# KiCad board Rogelio Pineda part 2v2-AMLDC-2044B.kicad_pcb (continued)
## Routing (per net, layer and track width the routed paths; a pad name or vN(x,y) marks a point on that pad's centre or on a via; arc(x,y) is an arc through that point) (continued)
367.14,383.3 366.88,381.53 366.67,379.76 366.58,379.25 366.48,378.24 366.35,377.66 366.24,376.61 366.19,375.7 366.16,375.45 366.12,373.75 366.04,372.94 365.96,372.39 365.89,371.19 365.86,371.03 365.59,368.48 365.42,367.19 365.13,365.17 364.91,363.81 364.75,362.09 364.65,361.2 364.51,360.35 364.48,359.59 364.45,358.76 364.39,357.89 364.27,354.85 364.25,353.84 364.11,350.42 364.11,348.64 364.18,345.49 364.16,344.91 364.26,343.94 364.24,342.98 364.37,340.43 364.19,339.86 v1(364.19,339.73) 364.2,339 363.8,336.25 363.66,335.49 363.63,334.05 363.64,333.15 363.64,331.61 363.69,330.58 363.65,328.99 364.02,326.55 364.35,325.06 364.63,323.42 364.73,322.61 364.73,321.7 364.78,320.98 364.72,320.56 364.62,319.97 364.12,319.06 363.72,318.49 363.29,318.06 v1(363.29,318) 363.33,315.65 363.23,312.03 362.96,302.82 362.91,301.92 362.88,296.33 362.91,295.53 362.92,294.07 363.01,292.95 362.99,292.73 363.02,291.95 363.08,291.43 363.32,289.69 363.5,288.36 363.74,287.31 363.96,286.47 363.92,286.44 v1(363.92,285.97) ; 92.62,126.56 93.91,125.55 95.43,124.25 96.37,122.92 97.49,121.46 97.85,119.5 ; v1(100.52,176.21) 100.75,175.01 101.13,172.22 101.23,169.2 101.17,167.45 101.07,166.29 100.9,164.56 100.08,160.96 99.81,158.33 99.76,157.52 99.88,156.43 99.89,156.15 99.99,155.36 100.11,154.05 100.29,152.29 100.33,151.39 100.54,148.6 100.6,147.78 100.66,139.09 100.74,139.01 100.74,119.7 100.78,119.66 ; 102.46,169.04 102.15,164.33 101.71,162.47 100.9,159.43 100.87,156.48 101.05,155.27 ; v1(410.78,386.53) 411.56,385.45 411.46,368.52 411.47,366.6 411.34,360.64 411.4,359.63 411.35,355.62 411.32,351.99 411.3,348.72 411.27,347.37 411.15,340.51 411.14,339.98 411.19,339.18 411.06,333.54 410.92,331.89 410.67,331.18 410.31,327.61 410.23,324.89 410.05,318.5 410.07,316.35 410.18,315.2 410.23,314.46 410.46,312.88 410.6,312.09 410.94,309.58 411.14,307.49 411.34,305.19 411.26,302.94 411.18,302.15 411.14,301.36 410.9,300.15 410.57,298.18 ; v1(287.58,240.98) 287.5,239.88 286.74,231.52 286.47,227.26 286.22,216.45 286.26,207.89 285.79,136.39 285.79,130.01 285.7,123.1 285.66,110.45 ; v1(318.62,286.24) 318.43,269.31 v1(318.55,267.24) ; v1(410.28,286.08) 410.18,287.66 409.94,289.63 409.83,290.67 409.89,291.6 409.89,291.84 409.84,291.7 409.93,294.31 410.11,295.64 410.38,297.14 410.58,298.24 ; 256.44,109.96 256.38,140.45 256.44,143.36 256.3,145.19 256.26,148.72 v1(256.17,150.58) 256.61,156.07 256.67,214.61 256.59,220.4 v1(256.41,221.79) ; v1(182.24,272.83) 182.24,284.01 v1(182.17,284.07) ; 142.76,151.28 142.9,151.74 143.26,152.94 143.37,154.23 143.54,157.42 143.52,171.46 143.47,174.93 143.59,179.43 143.56,182.36 143.61,185 143.63,185.84 143.63,191.77 143.6,191.81 143.4,202.73 143.16,203.99 v1(143.14,205.3) ; v1(288.72,155.38) 289.16,154.94 289.16,154.48 289.27,139.78 288.64,111.04 ; 290.61,187.25 290.91,184.29 291.31,178.16 291.59,166.43 291.88,148.18 291.92,137.82 292.11,110.31 ; v1(401.86,302.72) 401.86,303.5 401.5,304.79 401.46,305.28 401.28,306.22 401.01,310.89 401.12,313.42 ; v1(338.37,362.6) 338.37,360.63 338.39,360.61 338.16,353.04 338.21,351.78 337.77,341.97 337.79,339.52 v1(337.49,334.22) 337.84,332.76 338.06,331.63 338.12,330.9 338.33,329.98 338.46,329.12 338.57,327.92 338.6,324.61 338.57,323.59 338.57,309.44 338.54,309.4 338.57,309.37 338.48,294.93 338.48,293.38 v1(338.22,292.56) 338.64,291.44 338.75,288.02 338.62,282.67 338.5,281.53 338.41,278.19 338.42,276.94 338.3,275.97 v1(338.15,274.88) ; v1(251.51,304.61) 251.85,305.82 252.4,308.38 252.57,311.95 252.71,313.64 252.98,318.77 253.54,324.15 253.46,327.68 252.52,332.13 252.18,338.04 252.18,341.71 252.3,346.03 253.39,350.88 253.03,354.2 251.25,359.37 251.16,369.92 251.21,369.97 251.02,371.45 250.95,377.92 250.9,377.97 250.9,385.71 250.98,387.88 251.4,392.5 251.93,393.83 v1(252.69,394.69) ; 365.72,328.66 365.68,330.66 365.6,332.71 365.79,334.59 365.84,335.05 365.91,335.45 365.99,335.98 366.03,336.28 366.21,337.41 366.3,338.29 366.33,338.83 366.4,339.44 366.37,340.38 366.37,341.31 366.31,343.03 366.3,343.94 366.28,344.58 366.19,346.04 366.21,346.75 366.17,347.78 366.28,349.47 366.33,350.16 ; 218.5,151.97 218.23,153.1 216.92,159.52 217.37,162.96 217.99,166.7 217.84,178.88 217.89,178.93 217.58,189.35 217.41,191.33 216.91,194.2 216.84,196.45 217,197.79 217.27,200.65 217.58,202.33 217.7,203.75 217.08,207.75 216.96,209.96 217.66,211.3 v1(218.79,213.07) ; v1(82.11,328.05) 82.37,330.35 82.52,331 82.93,333.37 83.41,334.71 84.25,337.29 85.41,339.71 86.96,343.77 87.87,344.97 ; v1(334.1,121.13) 333.9,121.83 333.65,123.35 333.5,125.02 333.31,126.01 333.19,128.74 333.22,128.78 333.11,136.3 333.62,137.81 333.96,138.96 334.41,139.82 334.69,140.9 334.81,141.64 334.81,144.76 334.66,145.63 334.63,146.27 334.48,147.02 334.36,148.23 334.2,148.9 v1(333.96,149.7) ; v1(337.09,207.44) 336.67,206.4 336.34,205.66 335.81,204.71 334.59,202.8 334.32,202.24 334.09,201.26 334.33,199.52 334.66,198.57 334.86,197.96 335.28,196.51 335.43,195.72 335.63,194.9 335.68,191.43 335.95,189.72 336.26,188.13 336.61,186.29 337.06,183.73 337.4,182.33 337.85,178 337.82,175.97 337.99,175.25 337.93,175.2 338.01,173.63 338.25,169.33 338.33,167.32 338.31,166.02 338.38,164.73 338.43,162.86 338.45,160.69 338.25,157.46 337.59,156.11 336.97,154.17 v1(336.76,153.95) ; 135.29,295.26 134.93,297.47 134.8,299.37 134.93,300.82 135.07,304.04 135.18,305.73 135.31,309.77 135.43,311.63 135.71,316.54 135.74,318.92 136.04,325.54 136.08,327.89 136.27,331.5 136.33,334.81 136.33,363.29 136.18,363.82 135.78,367.43 135.03,371.47 134.53,374.39 134.54,374.74 133.73,377.8 133,380.23 132.79,381.42 v1(132.64,382) ; 135.29,295.26 135.3,293.87 134.76,291.72 134.7,283.69 134.97,278.51 ; 135.29,295.26 135.29,293.72 ; 325.95,133.29 325.84,132.12 325.84,110.81 ; 325.95,133.29 325.91,132.18 ; 325.95,133.29 326.29,143.08 326.27,146.41 326.36,147.7 326.52,149.01 326.82,151.06 327,151.76 327.41,154.21 327.76,155.96 327.96,156.96 328.51,159.08 328.75,160.7 328.96,161.55 329.27,162.59 329.42,163.65 329.81,165.5 329.78,166.31 329.78,167.07 329.88,168.59 329.97,183.26 330.01,188.73 329.97,202.81 330.01,207.27 329.94,216.03 329.95,217.63 330.1,230.56 329.97,230.69 329.97,239.97 329.87,240.07 329.87,249.09 329.78,249.19 329.78,254.76 329.71,255.83 329.62,259.89 v1(329.38,260.13) ; 142.13,181.97 142.2,169.27 142.25,169.23 142.25,156.3 142.31,155.11 142.27,154.07 142.18,153.4 141.95,152.68 141.49,151.16 140.19,148.19 139.95,147.47 139.73,145.83 139.5,143.83 139.46,135.29 139.48,132.03 139.55,130.91 139.55,119.59 139.46,119.5 ; 142.13,181.97 142.08,185.23 v1(141.94,188.78) ; 142.13,181.97 142.11,181.94 ; v1(332.1,323.65) 332.63,347.82 332.59,376.29 332.19,376.69 v1(332.19,377.18) ; v1(287.7,366.61) 286.38,363.65 285.79,362.06 285.1,359.65 284.87,347.83 284.82,346.49 284.82,337.18 284.93,336.88 285.14,334.75 286.43,329.43 287.16,326.02 ; 183.42,119.54 183.79,133.43 183.79,141.47 v1(183.93,141.61) ; 212.97,341.66 213.02,341.36 213.02,344.81 212.42,352.5 212.32,355.82 212.32,357.76 212.51,361.12 212.6,362.51 212.67,363.62 212.9,364.69 213.02,368.09 213,369.53 213.04,373.35 212.9,375 212.79,377.57 212.72,380.74 212.81,384.17 212.88,384.24 212.93,387.46 213.02,388.44 213.32,391.73 v1(213.48,392.43) ; 92.79,126.43 91.67,127.25 89.89,128.67 88.53,129.49 87.34,130.24 v1(85.51,130.88) ; v1(171.03,205.4) 170.72,207.02 170.52,208.17 170.37,209.2 170.17,210.43 170.17,221.5 170.19,223.1 170.49,231.38 170.46,231.41 170.46,237.48 170.21,237.73 170.21,257.32 170.25,257.36 170.11,278.52 171.46,286.21 171.24,287.66 170.86,288.52 170.5,290.17 170.31,291.83 170.16,292.97 170.21,293.02 170.21,306.39 170.15,307.05 170.12,307.54 170.07,315.12 170.07,322.46 170.29,323.85 v1(170.93,325) ; 408.9,227.06 408.78,225.31 408.73,224.31 408.67,223.42 v1(408.75,222.51) ; 94.5,119.43 93.32,121.08 92.74,121.79 91.14,123.22 90.41,123.85 89.56,124.49 89.09,124.86 88.3,125.34 87.41,125.94 85.94,126.63 v1(85.16,126.97) ; v1(103.69,361.82) 103.77,360.76 104.34,356.38 104.49,355.43 104.97,353.59 105.36,352 105.72,349.75 105.63,346.81 104.92,343.74 103.82,342.21 103.21,341.28 102.66,340.47 101.42,338.79 101.3,338.59 100.6,337.43 100.27,334.68 99.9,332.45 99.61,329.99 99.37,329.15 98.54,326.18 97.58,323.95 97.1,321.48 97.44,318.99 98.32,317.52 98.65,315.56 98.16,312.05 97.57,310.69 97.4,309.4 97.28,308.59 97.28,306.52 97.85,304.62 99.28,302.42 99.89,301.75 100.91,300.28 101.87,297.86 102.46,294.7 102.5,293.5 102.56,289.64 103.19,286.35 102.94,283.17 102.73,282.27 ; 371.74,111.25 371.68,135.56 371.77,149.18 372,157.97 372.17,159.31 372.32,161.02 372.5,162.65 372.64,163.73 372.9,179.42 372.18,181.29 371.63,183.02 371.2,184.15 371.03,185.09 370.8,186.38 370.73,187.77 370.8,188.95 370.84,189.93 371.04,195.26 371.1,200.87 371.35,203.41 371.88,205.37 372.05,207.51 372.26,209.29 372.33,230.63 372.4,235.58 372.28,237.51 372.27,238.43 371.53,240 371.22,240.68 370.34,242.26 370.28,243.92 370.32,244.39 370.45,245.85 370.54,246.61 370.78,247.91 370.84,248.47 370.88,249.19 370.79,253.7 370.88,258.5 371.32,259.68 371.73,260.87 372.4,262.96 372.46,265 371.95,266.67 371.56,267.55 371.13,268.22 370.8,269.1 370.57,269.8 370.73,270.5 370.89,271.12 371.18,271.81 371.31,272.27 371.6,272.97 371.74,274.79 371.54,289.53 371.32,290.76 371.3,291.21 371.09,291.73 370.97,292.15 370.83,292.66 370.55,293.73 370.15,294.61 370.08,295.07 369.79,295.84 369.59,297.15 369.66,298.63 369.66,299.38 369.6,299.45 369.81,300.27 369.98,300.78 370.14,301.7 370.49,303.24 370.48,303.93 370.54,304.94 370.46,305.4 370.35,306.06 370.05,307.08 369.88,308.06 369.58,308.98 369.39,311.14 369.47,313.32 369.64,315.63 369.77,316.38 370,317.37 370.79,319.08 371,319.85 371.18,320.46 371.33,322.1 371.28,323 371.23,323.78 370.98,325.58 370.73,327.75 370.74,328.51 370.78,329.26 370.78,329.73 370.78,330.02 370.83,330.67 370.78,332.03 370.91,333.48 371.01,335.96 371.01,336.63 371.11,337.64 371.28,338.82 ; v1(175.45,360.65) 174.88,360.09 174.7,350.84 173.89,349.05 173.13,347.04 172.87,345.5 172.72,344.33 172.72,342.59 172.58,341.1 172.77,336.36 173.22,333.29 173.71,326.49 ; 324.05,154.69 324.02,154.71 ; 324.02,154.71 323.88,153.27 323.58,151.76 323.18,150.37 322.79,148.94 322.68,148.33 322.26,145.59 v1(322.47,145.25) ; 281.45,239.23 281.45,241.22 281.48,241.24 v1(281.48,243.32) 281.43,244.44 v1(281.65,261.23) 282.53,264.73 ; 176.79,119.14 176.95,119.29 176.95,147.49 176.98,149.92 177.22,152.92 177.47,156.01 177.65,157.39 177.66,158.92 177.21,161.99 176.92,164.77 176.93,169.66 176.96,170.97 177.06,177.77 177.09,180.01 177.3,187 177.32,189.49 177.53,192.2 177.44,192.97 v1(177.71,195.14) ; v1(217.55,286.77) 217.11,287.2 217.11,315.5 217.52,315.91 217.39,316.03 v1(217.39,318.53) ; 331.38,380.33 331.16,380.55 v1(331.16,395.48) ; v1(82.15,315.06) 83.46,316.37 84.25,317.68 85.29,319.82 86.19,321.56 86.91,322.54 87.89,323.93 88.79,324.8 88.82,324.8 89.66,325.9 v1(91.4,327.34) ; 335.96,148.98 335.8,149.79 335.43,150.52 335.09,151.54 334.68,152.39 334.68,152.99 334.86,154.23 335.08,155.04 v1(335.43,156.54) ; 137.58,119.83 137.32,124.18 137.09,129.63 137.01,131.11 136.84,132.79 136.76,133.93 136.52,139.16 136.44,141.03 136.21,146.57 136.12,147.73 136,148.53 135.77,149.43 135.41,151.24 134.46,154.23 134.03,157.44 134.04,159.78 134.04,161.72 134.21,162.83 134.74,166.49 135.18,168.54 135.61,170.52 136.03,171.51 136.29,173.49 136.55,175.11 136.96,179.83 137.04,181.11 137.27,187.39 137.42,188.77 137.53,191.54 137.64,192.08 137.78,195.12 138.04,196.88 138.48,199.85 138.59,201.18 138.99,204.66 139.08,205.82 139.62,209.11 140.19,211.85 140.72,213.85 140.83,214.65 141.08,217.87 141.32,221.66 141.14,224.59 141.08,226.12 140.96,237.98 140.6,238.34 v1(140.6,239.79) ; v1(255.14,231.84) 254.87,231.57 254.87,222.31 254.77,220.06 254.87,215.6 255.21,213.38 255.47,206.03 255.51,204.19 255.53,176.33 255.48,174.86 255.48,163.17 255.61,159.58 255.61,157.88 255.57,156.15 255.14,153.86 254.73,152.22 254.48,150.56 254.6,148.58 254.79,147.77 255.12,146.08 255.14,119.71 255.02,110.06 ; v1(287.53,152.93) 287.26,153.2 287.44,165.17 ; v1(320.94,283.65) 320.67,282.01 320.68,275.04 320.65,273.99 320.57,270.98 320.51,268.82 320.24,263.49 320.14,261.75 320.08,261.07 319.91,258.54 319.55,251.7 319.4,249.22 319.4,244.45 319.82,237.24 319.82,235.45 320.04,234.29 320.18,233.02 320.68,229.31 320.94,226.07 321.2,223.62 321.31,221.97 321.43,219.36 321.48,218.04 321.61,216.04 321.87,202.82 322.17,186.2 322.01,179.93 321.98,177.02 321.67,173.43 321.47,172.16 321.06,170.68 320.94,169.8 320.81,168.99 320.76,168.1 320.57,167.31 320.24,163.82 320.09,159.77 v1(319.94,155.48) ; v1(290.38,264.65) 289.92,265.1 289.82,269.17 289.78,269.93 289.85,271.37 289.86,274.64 289.97,276.13 290.06,276.92 290.2,278.11 290.76,280.98 291.05,282.97 291.49,287.89 291.61,289.27 291.86,292.29 291.87,296.04 291.99,296.91 291.79,298.01 291.04,300.75 290.48,302.75 290.48,303.2 289.88,304.49 289.68,309.28 289.77,312.07 289.75,313.81 289.83,333.24 289.91,335.43 v1(290.26,336.28) ; v1(366.71,352.92) 366.36,351.52 366.33,350.03 ; 87.8,344.87 89.17,346.26 89.62,346.38 90.29,346.44 91.65,346.11 92.85,345.05 ; 221.25,119.74 220.53,131.69 220.48,136.58 220.28,138.74 220.2,140.25 219.7,145.78 218.89,149.39 218.48,152.11 ; 134.96,278.74 134.97,277.52 135.32,272.76 135.45,271.46 135.74,267.88 135.85,266.27 136.24,260.63 136.83,254.84 137.32,246.26 v1(137.46,244.27) ; 99.61,317.48 98.08,320.22 98.5,322.24 99.13,323.83 99.87,325.2 100.35,325.97 v1(100.66,326.82) ; 215.53,184.98 214.92,179.18 214.77,176.41 214.49,170.58 214.44,168.64 214.37,166.81 214.57,161.85 215.23,155.41 215.39,152.14 215.58,150.22 216.17,138.23 216.4,136.05 216.99,122.74 217.36,119.85 ; v1(368.47,301.44) 368.69,301.79 369.48,303.76 369.6,304.69 369.52,305.53 369.48,305.82 369.21,307.21 368.8,308.4 368.66,309.87 368.61,310.62 368.61,310.95 368.61,315.74 368.82,316.38 368.95,316.81 369.17,317.57 369.67,318.98 370.46,321.62 370.39,322.59 370.34,323.36 370.11,324.96 369.95,325.76 369.87,326.84 369.82,327.98 370.03,335.55 370.15,337.99 370.39,339.98 370.49,340.54 370.73,341.51 371.04,342.9 371.46,345.25 371.67,346.26 371.95,347.75 372.15,348.87 372.35,352.58 372.35,353.95 372.24,354.86 372.18,356.14 372.05,356.82 371.35,358.32 v1(370.81,358.81) ; 329.28,110.35 329.04,116.12 328.84,121.12 328.82,123.06 328.78,127.8 328.81,129.06 329.02,134.96 329.12,136.21 329.31,142.67 329.34,142.7 329.34,146.54 v1(329.51,146.71) ; v1(139.4,302.11) 139.59,301.91 139.59,296.88 139.22,294.03 138.66,290.81 138.71,287.67 139.07,284.66 139.03,283.72 139.03,281.98 138.77,280.6 138.66,276.89 139.16,275.13 139.75,272.91 139.91,271.62 140.03,271.12 140.05,269.56 140.06,267.89 140.1,267.16 139.89,265.43 139.82,263.71 139.99,261.62 140.23,260.53 140.4,259.8 v1(142,257.45) ; 180.92,154.96 180.82,154 180.39,147.93 180.39,146.48 180.3,141.25 180.33,140.61 180.22,135.96 180.28,134.51 180.2,129.65 180.2,119.53 ; 140.61,119.52 140.64,120.44 140.47,124.89 140.64,135.14 140.58,136.57 140.69,146.14 141.35,147.87 141.89,149.45 142.23,150.11 142.85,151.56 ; v1(410.8,186.91) 410.96,191.23 411.19,228.23 411.26,228.29 411.26,236.22 411.36,240.07 v1(411.5,249.93) 411.56,251.13 411.71,258.74 411.68,258.77 411.68,270.08 411.85,279.39 411.71,294.03 411.45,294.3 v1(411.45,294.91) ; 252.89,109.93 253.05,120.99 252.93,138.34 252.97,147.66 253.41,153.47 253.71,154.71 v1(253.81,155.63) ; v1(372.52,315.53) 372.16,314.33 371.98,313.75 371.86,313.28 371.49,312.06 371.29,310.3 371.69,308.26 372.16,307 372.54,305.41 372.55,303.8 372.23,302.33 371.74,301.06 371.62,300.35 371.49,299.73 371.35,298.38 371.56,296.57 371.72,295.91 372.35,294.37 372.83,293.06 373.27,292.11 373.64,290.38 373.79,289.38 373.76,265.16 373.63,264.22 373.58,263.57 373.44,262.59 373.09,261.66 372.43,260.23 372.13,259.23 371.74,257.22 371.69,247.92 371.64,247.58 371.53,247.01 371.26,244.71 371.15,243.77 371.18,242.71 371.39,242.21 371.7,241.42 372.08,240.97 372.32,240.61 372.52,240.11 373.19,238.74 373.33,208.11 373,205.42 372.54,203.96 372.12,202.41 372.03,197.52 372.09,196.07 372.29,195.68 372.35,195.22 372.44,194.55 372.79,192.58 372.59,188.69 372.56,188.29 372.51,185.67 v1(372.38,185.54) ; 103.57,182.45 103.84,185.14 104.23,187.68 104.93,192.07 104.9,193.08 104.83,195.6 104.77,196.56 104.44,199.96 104.32,201.06 103.96,205.21 103.86,206.29 103.76,210.97 104.01,212.13 104.01,212.33 104.36,213.77 104.33,214.36 104.73,215.1 104.94,217.62 105.04,219.21 105.48,221.84 105.52,222.2 105.99,225.46 106.12,226.31 106.61,229 106.81,230.5 107.25,233.33 107.25,233.54 107.45,236.06 107.65,237.76 107.75,239.62 107.74,240.79 107.83,251.8 107.85,252.27 107.54,255.12 107.21,256.1 106.86,257.29 105.2,259.94 103.96,262.2 103.47,264.33 103.59,267.72 103.54,268.53 103.54,278.04 103.49,278.97 103.7,282.56 104.27,284.12 104.27,286.38 104.18,288 103.86,289.06 103.57,290.48 103.56,290.8 103.44,293.54 103.47,293.58 103.32,295.49 103.32,296.12 102.81,298.86 102.55,299.54 101.08,301.89 99.81,303.43 99.31,304 98.25,306.02 98.14,307.18 98.54,308.53 99.05,309.5 99.39,310.29 100.36,312.75 100.84,314.17 100.58,315.51 100.13,316.76 99.48,317.71 ; 139.95,195.02 139.66,192.66 139.33,190.34 139.37,190.3 139.26,185.97 139.17,182.6 138.85,176.42 138.72,175.54 138.49,172.11 ; v1(362.84,177.98) 362.65,178.8 362.43,180.29 362.42,184.01 362.46,186.34 362.53,188.35 362.62,190.94 362.63,192.25 362.7,195.29 363.15,202.62 363.25,204.91 v1(363.25,207.09) ; v1(289.75,211.38) 289.75,211.87 289.78,212.59 289.61,213.53 289.34,216.97 289.35,218.42 289.38,219.2 289.3,225.46 289.7,227.9 289.99,229.08 290.25,230.2 290.59,231.58 291.16,233.17 291.7,235.27 292.49,237.59 292.89,238.87 v1(292.98,240.05) ; v1(208.73,215.46) 208.54,215.66 208.9,216.35 208.43,290.1 208.42,337.11 208.51,339.94 208.57,341.42 208.63,342.24 209.35,344.01 210.07,345.74 210.54,347.67 210.67,349.27 211.2,353.34 211.26,355.71 211.43,358.46 211.45,360.21 211.82,366.95 211.86,367.76 211.93,367.87 211.93,373.99 211.8,374.83 211.62,382.97 211.68,386.12 211.54,395.64 v1(211.89,395.98) ; v1(96.24,275.09) 96.03,275.09 95.03,274.77 94.4,274.54 93.49,274.31 93.18,274.14 91.86,273.55 91.25,273 90.58,272.33 89.69,271.29 v1(89.69,271.22) ; 177.53,320.49 177.76,322.74 177.8,325.82 177.78,325.78 177.76,328.54 ; v1(82.92,128.85) 83.07,129 86.22,128.85 ; 213.02,341.43 212.72,339.44 212.32,337.68 211.79,333.32 v1(211.77,331.3) 211.81,331.25 211.81,316.73 211.7,295.58 211.65,294.65 211.61,290.41 211.42,288.68 211.58,259.49 211.56,258.26 211.67,250.52 v1(212.05,237.81) ; v1(363.07,373.88) 363.12,374.38 363,375.98 362.83,376.76 362.72,380.12 362.72,380.91 362.72,384.09 362.69,384.31 362.76,384.98 362.89,385.67 v1(363.11,386.62) ; 215.89,256.2 215.48,248.5 215.45,247.71 215.23,240.87 215.19,239.63 214.96,236.12 214.89,234.86 214.55,230.43 214.42,229 214.12,225.52 v1(213.84,224.16) ; v1(105.87,211.93) 106.32,210.32 106.62,207.66 ; v1(364.06,183.29) 364.15,182.9 364.18,180.6 364.24,179.23 364.23,170.82 364.27,169.88 364.23,160.93 364.22,158.86 364.25,157.92 364.34,149.48 364.32,149.47 364.32,143.58 364.28,140.07 364.35,137.3 364.36,134.93 364.46,131.51 364.43,130.71 364.54,127.35 364.59,126.52 364.61,125.75 364.64,124.57 v1(364.78,115.75) ; 371.24,338.25 371.41,339.95 371.63,341.25 372.07,343.12 372.05,343.14 372.2,343.72 372.34,344.72 372.61,345.69 372.97,347.21 373.22,348.86 373.29,354.21 373.25,354.64 373.18,356.65 372.99,358.1 372.62,359.18 372.23,359.99 371.79,361.24 371.29,362.68 371.25,363.13 370.87,365.29 v1(370.76,366.23) ; 130.97,183.19 130.99,180.41 130.95,176.46 130.95,172.09 130.91,172.06 130.73,165.39 130.63,160.57 130.59,149.18 130.77,142.71 131.03,140.13 131.07,138.36 131.41,133.32 131.84,130.8 131.9,129.11 132.75,123.96 132.96,122.48 133.21,121.28 133.21,119.44 ; 103.45,176.49 103.52,168.93 103.55,167.88 103.3,164.39 102.96,163.06 ; v1(365.59,392.96) 366.32,393.22 367.33,393.19 370.68,393.05 v1(371.84,393.05) ; v1(223.82,265.22) 223.94,267.71 224.13,280.94 223.61,282.11 223.02,283.47 222.4,284.71 222.34,285.94 222.31,285.97 222.31,292.57 222.4,292.67 222.4,299.76 222.28,301.98 222.12,323.21 222.12,324.75 222.28,328.73 222.25,329.92 222.38,330.96 222.4,332.06 v1(222.5,334.01) 222.53,334.04 222.81,337.28 223.02,338.36 222.7,340.96 222.21,343.19 221.14,345.44 220.46,346.54 219.93,347.6 219.84,357.52 219.75,359.02 220.17,366.48 220.28,368.29 220.32,369.64 220.61,370.93 220.33,374.83 v1(220.3,376.23) ; 102.46,168.78 102.33,172.69 102.11,177.47 101.58,178.88 101.24,180.79 101.38,181.9 v1(101.64,182.96) 101.78,183.1 102.07,184.41 102.41,185.39 102.96,187.79 103.18,188.16 103.65,191.11 103.7,191.47 103.66,193.64 103.65,194.16 103.45,196.86 103.42,197.88 103.33,199.39 103.26,199.57 102.94,201.98 102.87,202.98 102.7,205.42 102.69,205.99 102.49,208.26 102.42,209.36 102.44,210.77 102.5,211.83 103.06,213.95 103.53,215.25 103.92,219.22 104,219.73 104.69,223.15 104.86,224.08 105.11,225.82 105.83,229.91 106.22,232.99 106.37,234.22 106.55,237.73 106.62,238.93 106.79,251.92 106.83,252.43 106.57,255.42 104.85,258.85 103.98,260.08 102.8,262.73 102.61,264.01 102.53,264.86 102.51,280.08 102.49,280.18 102.6,281.67 102.76,282.42 ; v1(82.18,318.24) 82.77,319.52 84.05,321.23 84.62,322.17 85.71,323.63 87.31,326.19 87.94,327.79 88.35,329.87 88.67,330.89 89.5,333.41 89.65,333.78 90.17,334.36 91.03,335.44 v1(92.5,336.38) ; 406.84,193.29 406.82,191.97 406.63,185.68 406.69,182.98 406.58,178.91 406.6,176.41 406.44,174.03 406.47,170.96 406.35,162.76 406.35,159.44 406.28,149.66 406.27,146.6 406.2,143.34 406.31,140.82 406.17,138.71 406.12,136.19 406.06,125.98 406.11,122.39 406.01,113.97 406.02,111.73 ; 403.45,111.48 403.46,113.68 403.88,172.23 403.87,175.68 403.97,184.47 403.94,185.59 404.02,196.75 404.09,205.95 404.09,214.88 404.09,217.46 404.12,221.12 404.12,223.58 404.05,227.1 404.12,228.48 404.42,232.66 404.66,235.14 404.64,242.68 404.59,244.08 404.47,245.54 404.2,246.16 v1(403.98,246.58) ; v1(91.74,339.32) 90.69,338.15 90.08,337.19 89,335.69 88.51,333.84 87.31,331.41 86.48,329.47 85.62,327.63 84.55,325.48 82.19,321.93 v1(82.19,321.91) ; v1(221.18,154.41) 221.18,154.99 221.62,155.43 221.5,166.55 221.45,167.93 221.43,169.29 221.4,176.19 221.31,177.52 221.23,178.08 221.21,190.71 220.97,191.51 221.11,194.78 221.01,196.58 220.82,203.96 ; v1(219.55,195.27) 219.74,190.23 219.83,188.77 220.18,170.62 220.4,168.99 220.55,161.41 220.35,158.22 219.9,156.91 219.51,155.47 219.61,152.94 v1(219.99,152.42) ; 290.64,110.76 290.65,119.7 290.65,138.29 290.7,141.34 290.47,159.73 290.53,163.13 290.06,169.21 289.72,172.19 289.51,176.06 289.2,184.64 289.24,189.87 289.37,190.81 289.64,193.37 v1(290.07,193.8) ; v1(393.57,335.4) 392.71,336.26 391.71,336.62 390.74,337.17 390.34,337.32 389.48,337.72 388.91,337.97 387.72,338.62 387.07,338.77 v1(386.59,338.79) ; 135.3,231.77 135.18,230.54 135.14,228.63 ; v1(222.46,350.33) 222.46,351.38 222.26,352.23 222.19,364.74 222.34,365.46 222.69,367.55 222.97,368.24 v1(223.34,369.41) ; 138.53,119.56 138.55,120.49 138.61,121.16 138.61,122.27 138.49,124.73 138.33,128.55 138.37,128.58 138.2,130.23 138.03,133.84 138.12,137.14 138.2,141.81 138.27,141.88 138.25,141.9 138.25,147.99 v1(138.33,148.07) 138.22,149.94 138.08,151.27 137.87,153.4 137.72,154.43 137.68,156.18 137.66,156.2 137.66,162.98 137.8,165.09 137.94,167.15 138.49,172.71 138.49,172.51 ; v1(218.79,207.96) 218.7,206.59 218.76,205.96 218.64,202.32 217.83,195.88 218.56,190.52 218.73,183.83 218.84,182.51 218.98,168.34 219.02,167.4 218.93,163.97 218.9,163.67 218.81,163.44 v1(218.71,162.15) ; 172.52,286.3 172.58,287.77 172.41,290.23 v1(172.14,293.02) ; 180.32,273.43 180.32,272.84 180.36,265.59 180.26,260.93 180.08,246.62 180.11,244.93 179.94,235.83 180.06,233.94 179.98,225.85 179.77,222.15 179.35,219.44 179.18,216.82 ; v1(365.36,219.15) 365.82,220.59 366.04,222.4 366.22,223.79 366.51,225.19 366.54,226.07 366.72,226.71 366.85,228.06 367.03,229.09 367.29,231.91 367.38,235.16 367.4,235.94 367.26,241.94 367.22,242.18 367.2,242.85 367.04,245.94 366.96,246.94 366.81,254.3 366.81,254.74 366.79,256.26 v1(366.67,257.39) ; 283.91,270.23 284.07,272.29 284.12,274.72 284.12,280.14 284.22,281.69 284.39,286.5 284.46,288.07 284.51,289.45 284.67,289.61 v1(284.67,290.2) ; v1(143.07,328.38) 142.94,328.51 v1(142.94,333.73) ; v1(179.81,201.48) 179.81,201.35 179.28,200.82 179.08,200.2 179.03,199.26 179.13,197.83 179.39,195.66 179.23,194.24 179.18,193.33 178.87,191.9 178.77,189.57 178.51,188.07 178.43,185.03 178.32,183.33 178.12,176.15 178.05,175.13 178.02,168.63 178.33,163.35 178.59,160.78 178.79,158.68 178.67,156.68 178.72,156.63 178.46,154.2 178.12,144.6 178.05,142.01 178.05,138.49 178.04,138.47 177.86,129.81 177.89,119.36 ; 103.06,119.34 103.1,127.2 102.79,147.98 102.75,148.47 102.75,151.17 102.04,155.94 101.8,157.48 ; v1(141.8,244.74) 141.04,249.43 140.57,252.47 139.71,256.85 139.21,259.38 139.03,261.03 138.93,263.75 138.95,264.93 ; v1(175.97,392.28) 175.97,395.98 v1(176,396.02) ; v1(215.6,358.11) 215.88,357.83 215.88,357.1 215.89,354.57 215.74,340.1 215.79,339.38 215.78,336.57 215.81,329.75 215.7,320.49 215.7,308.84 215.71,308.72 215.81,294.65 215.9,293.28 215.75,289.41 215.78,288.04 215.92,284.79 v1(216.39,283.06) ; 220.53,339.19 219.16,342.27 218.92,343.86 218.47,347.88 218.35,349.91 218.35,350.78 218.4,356.6 218.52,357.82 218.55,359.83 218.76,361.16 218.85,363.98 219.12,365.21 219.44,370.12 218.29,375.78 218.37,377.04 219.41,379.13 v1(219.91,380.22) ; 130.98,182.43 130.99,184.24 131.45,187.36 132.06,189.42 133.51,192.1 134.07,193.31 134.82,195.53 135.1,197.12 135.18,226.68 135.1,227.66 135.14,227.63 135.18,228.79 ; 250.14,110.3 250.37,114.4 250.58,116.23 250.63,118.49 250.29,121.8 250.14,123.27 250,124.82 250.08,125.74 250.01,128.27 249.89,137.49 249.93,138.55 249.6,153.23 249.84,155.13 250.19,156.51 250.69,158.16 251.37,160.62 251.72,162.28 251.87,166.71 251.82,166.75 251.79,170.92 251.75,177 v1(251.56,177.55) ; 99.65,119.4 99.85,122.65 99.87,136.16 99.59,144.27 99.56,146.29 99.5,150.9 99.42,151.8 99.14,154.09 98.99,154.57 98.78,157.58 98.83,158.14 99.16,161.08 99.6,163.34 99.73,165.14 99.87,165.88 100.21,168.76 99.68,172.63 99.42,173.85 98.73,176.72 99.04,177.41 99.04,177.61 v1(99.78,178.35) ; v1(330.91,302.06) 330.97,302.12 v1(330.97,305.38) ; 182.09,119.52 182.07,120.94 182.37,148.35 182.49,149.27 182.51,149.95 182.76,150.9 183,151.9 183.98,153.58 184.22,154.59 184.26,154.63 184.26,156.19 184.04,156.75 v1(183.74,157.46) ; 133.88,292.33 133.81,290.89 133.57,288.52 133.88,281.77 134.16,277.46 134.36,273.79 134.81,268.21 135.16,263.58 135.26,261.22 135.63,257.23 135.85,252.58 135.71,247.56 135.6,245.68 135.71,243.72 136.16,242.56 v1(136.92,241.6) ; v1(293.23,209.88) 293.26,209.92 v1(293.26,229.07) ; v1(175.14,158.73) 174.78,179.39 174.99,186.37 174.87,193.21 174.99,198.07 175.2,207.83 175.39,229.45 175.49,237.49 175.36,261.23 v1(175.82,261.69) ; v1(142.14,241.53) 142.47,241.07 142.54,238.94 142.24,233.69 142.21,229.14 142.27,228.51 142.49,221.46 142.33,219.08 142.28,217.9 142.06,216.85 141.91,214.62 140.69,209.49 140.18,206.38 139.92,205.38 139.64,203.19 139.52,200.54 139.15,197.2 138.72,192.54 138.27,191.5 138.13,183.7 138.12,181.7 138.01,180.21 137.74,178.29 137.65,176.74 137.27,173.72 136.72,170.04 136.42,168.76 136.26,167.21 136.1,165.82 136.12,165.52 v1(136.12,165.11) ; 176.05,199.26 175.99,197.87 175.93,197.26 175.85,196.13 175.93,193.85 176.03,192.19 176.05,191.76 175.89,180.76 175.97,178.13 175.87,172.03 175.86,170.47 175.86,166.03 175.87,165.5 176.02,163.36 176.09,163.17 176.33,160.71 176.54,159.9 176.46,156.01 176.31,154.5 176.06,146.72 ; 104.16,119.4 104.19,128.74 104.04,138.07 103.87,142.32 103.85,142.63 103.85,143.47 103.87,144.57 103.62,151.62 103.39,153.51 103.18,154.89 102.92,156.09 102.74,158.18 102.92,159.23 103.42,160.99 104.1,163.13 104.61,165 104.64,165.75 104.66,168.17 104.63,169.7 104.73,176.03 104.69,176.85 104.65,178.36 104.72,179.13 104.9,181.78 104.92,182.12 105.01,183.9 105.1,184.86 105.23,186.03 105.33,186.75 105.53,189.78 105.78,190.92 106.29,194.66 106.49,195.52 106.71,197.43 106.77,198.54 106.97,200.24 106.95,201.26 106.8,202.99 106.74,204.02 106.61,207.96 ; v1(366.8,273.86) 367.12,274.41 367.34,275.4 367.7,276.39 367.8,277.69 367.84,278.25 367.93,279.48 367.7,283.44 367.67,285.43 367.3,289.59 367.05,290.72 366.75,291.63 366.4,292.72 366.11,293.54 365.75,294.63 v1(365.41,295.23) ; 286.74,280.8 287.59,283.06 287.97,284.64 288.38,311.94 288.53,315.6 288.37,321.04 288.16,321.89 287.92,322.49 287.96,322.49 287.5,324.47 287.17,325.91 ; v1(291.63,371.69) 291.84,370.31 291.56,363.98 291.46,357.23 289.62,350.66 v1(287.81,346.37) ; 251.4,110.43 251.64,119.89 251.23,149.24 251.27,151.41 v1(251.41,153.08) 252.51,159.4 252.67,162.85 252.65,166.53 253.08,169.41 253.16,177.55 252.84,179.81 252.37,182.16 252.39,183.92 252.55,196.15 v1(252.74,196.33) ; v1(174.88,155.67) 174.88,119.18 174.86,119.16 ; v1(250.28,307.21) 250.45,307.69 250.73,309.58 250.74,309.94 251.02,312.56 251.12,313.58 251.4,316.79 251.51,317.95 251.6,320.57 251.65,320.62 251.65,324.8 251.66,325.84 251.46,328.41 251.41,329.14 v1(251.26,329.87) ; v1(332.57,271.16) 332.79,269.26 332.95,268.43 333.36,264.08 333.26,260.08 333.06,251.79 333.06,250.15 332.95,236.79 332.95,226.25 332.95,205.8 ; v1(294.04,266.89) 293.76,267.17 v1(293.76,271.23) 294.21,272.57 294.41,274.76 294.37,275.48 294.3,277.55 294.21,279.4 294.22,281.69 294.12,291 294.15,306.43 294.25,310.91 294.22,312.45 294.15,313.51 294.17,316.59 294.01,324.65 293.97,331.3 293.94,331.33 293.94,333.35 v1(293.86,333.43) ; 95.55,119.4 94.54,121.35 93.6,122.75 91.7,125.07 90.26,126.45 88.7,127.63 88.08,128.07 87.59,128.4 86.1,128.86 ; 284.44,119.37 284.48,119.34 ; v1(335.94,353.58) 335.98,353.62 v1(335.98,390.65) ; v1(182.41,270.23) 182.04,268.7 181.73,267.59 181.65,266.88 181.51,265.01 181.51,262.1 181.47,262.06 181.21,213.44 180.94,212.1 180.3,210.28 179.45,208.23 178.6,206.24 177.57,203.63 175.98,199.02 ; 212.27,194.04 212.3,196.79 212.58,198.39 212.54,198.44 212.54,205.79 212.35,207.46 212.03,219.62 212.09,222.62 212.17,226.42 212.5,228.27 213.1,231.42 213.63,236.01 213.89,240.04 213.08,251.72 213.1,273 212.96,273.92 213.14,274.68 v1(213.24,277.95) ; v1(96,281.03) 96.23,281.03 96.59,281.85 97.4,283.5 97.59,284.63 97.59,286.17 97.47,287.9 97.02,289.87 96.81,290.99 94.75,293.65 94.66,293.75 94.66,296.54 94.61,296.58 94.61,298.21 94.66,298.26 94.66,300.3 94.41,301.64 94.19,303.5 93.81,305.07 93.68,305.75 93.73,305.79 93.73,307.75 93.77,307.96 93.88,314.41 93.79,315.81 93.92,318.58 ; 335.76,139.51 v1(335.49,137.21) ; v1(220.07,238.01) 219.79,234.99 219.7,234.11 219.09,229.2 218.7,226.39 217.46,220.57 216.75,217.31 215.88,212.79 ; 168.87,300.35 168.67,315.37 168.84,324.66 168.93,339.06 168.93,340.47 169.02,345.38 169.02,347.7 169.92,349.8 170.12,350.27 v1(170.62,351.57) ; v1(253.96,356.84) 254.03,355.95 254.16,355.27 254.16,346.49 v1(254.21,346.44) 253.85,345.2 253.62,343.95 253.49,340.2 253.42,339.05 253.47,338.14 253.69,336.17 ; v1(138.13,214.12) 138.23,212.43 138.16,211.81 137.98,209.28 137.87,207.53 137.78,204.16 137.65,203.3 137.43,201.15 137.32,199.97 136.88,194.01 136.63,192.84 136.45,189.98 136.41,188.41 136.36,186.26 136.28,184.91 136.01,180.01 135.83,178.84 135.43,174.49 135.21,172.97 134.26,168.82 133.91,167.65 133.17,163.88 133.04,162.31 133.17,150.36 133.71,148.28 133.94,147.37 v1(134.65,146.66) 134.79,137.18 134.84,135.15 134.77,133.77 134.96,129.98 135.1,129.33 135.17,128.05 135.41,125.88 136.03,119.96 136.07,119.61
  Top w0.2: 83.24,362.97 v1(83.3,363.03) 84.31,363.12 ; 88.97,363.05 88.96,363.05 v1(88.94,363.07) 88.93,363.05 87.98,363.05 ; v1(82.12,359.16) 92.28,359.16
  Top w0.25: 95.06,289.17 94.9,289.17 v1(94.88,289.15) 92.42,289.48 87.54,289.05 85.89,288.54 v1(86.01,288.54) 86.01,288.66 85.99,288.64 ; v1(92.19,349.08) 92.86,350.64 93.64,353.04 94.6,355.76 95.83,359.21 96.7,362.81 97.44,365.68 v1(98.44,370.7) ; 92.38,370.59 92.33,370.64 v2(92.28,370.64) v2(85.88,370.64) 86.03,370.64 ; 169.58,376.39 v2(169.58,376.34) v2(169.53,382.09) 169.58,382.04 ; v2(137.78,395.99) 137.93,395.09 138.18,393.49 ; v2(134.98,191.34) 135.63,193.24 135.93,194.39 136.43,200.59 136.43,203.29 136.33,214.44 138.63,226.69 138.48,236.44 138.68,239.59 139.28,241.29 139.93,242.74 140.18,244.54 139.83,247.84 139.53,251.09 139.28,251.94 138.53,258.29 138.18,260.14 138.03,268.54 137.98,269.84 137.63,272.49 136.83,276.04 136.98,282.59 136.93,284.99 136.78,287.59 136.83,291.49 137.33,294.99 137.28,296.49 136.93,299.19 136.93,302.74 137.23,306.74 137.58,309.74 138.33,323.44 138.43,325.89 138.83,346.79 138.93,355.89 139.03,361.84 139.78,367.84 139.63,372.39 138.73,377.89 138.53,389.74 138.18,393.49 ; 138.18,393.49 138.18,393.34 ; 85.45,281.01 85.4,281.01 v1(85.4,281.05) 85.5,281.01 87.86,282.13 v1(89.77,283.15) 89.58,282.98 ; 84.31,363.12 87.98,363.05 ; v1(89.15,285.42) 88.52,284.68 86.32,283.58 v1(85.5,283.4) ; v1(85.55,286.03) 88.4,287.56 90.74,287.23 94.88,286.66 v1(94.88,286.6) 94.94,286.6 94.97,286.57 ; v2(92.28,366.74) 92.08,366.94 v2(84.53,366.89) 84.48,366.94 ; v1(82.97,274.95) 84.2,275.41 89.33,279.34 93.7,283.05 v1(94.75,283.89) 94.79,283.79 ; v2(86.53,374.59) 92.23,374.59 v2(92.28,374.54) 92.33,374.49 ; v1(103.64,375.69) 103.12,374.04 101.94,370.35 100.92,366.58 100.57,365.52 100.31,364.41 99.85,362.55 99.24,359.89 v1(98.57,355.47)
  vias: v1(80.97,384.53) v1(98.56,348.98) v1(99.91,319.67) v1(100.05,305.83) v1(102.34,337.57) v1(102.42,323.51) v1(106.2,369.3) v1(106.25,355.39) v1(132.11,366.69) v1(136.99,368.9) v1(177.78,328.54) v1(213.68,187.33) v1(215.28,243.55) v1(290.38,303.14) v1(308.88,380.46) v1(331.01,380.53) v1(333.03,205.71) v1(338.48,385.43) v1(365.72,329.2) v2(81.33,220.44)
